# Altium PCB huoer.PcbDoc
Units mm, origin at the board's own origin, x right, y up, seen from the top; angles counter-clockwise.
Board outline 197.26 x 14.07 mm, 2 copper layers (Top Layer, Bottom Layer); 18 components, 34 nets, 49 pads, 3 vias.
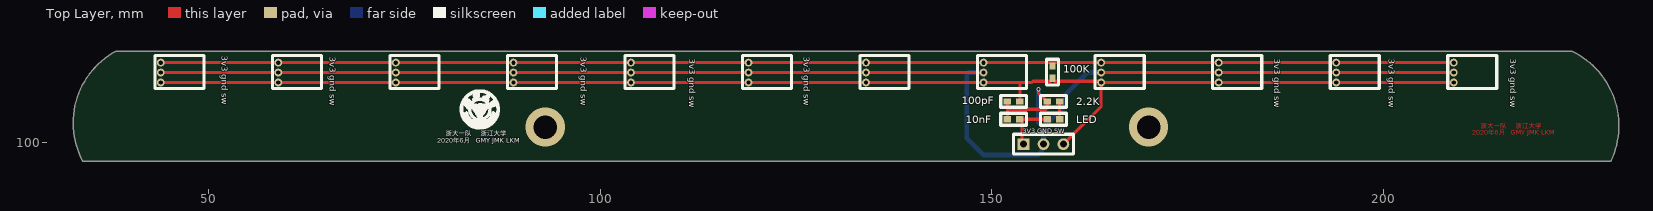
[diagram p0: Top Layer view]
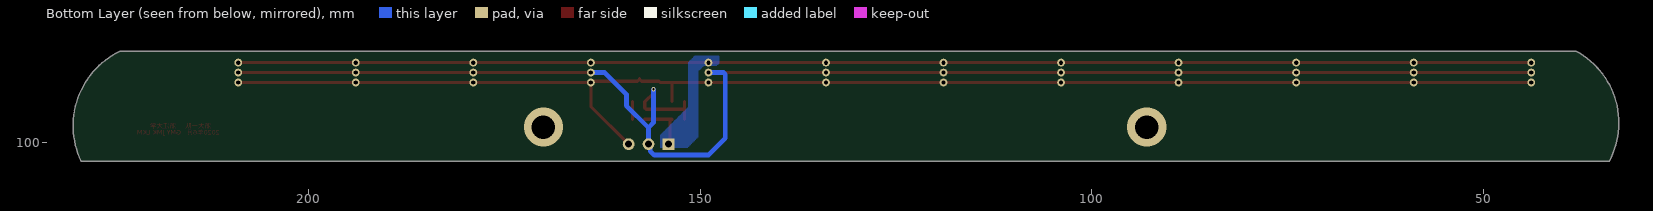
[diagram p1: Bottom Layer view, seen from below]

## Layer stack, top to bottom
Top Solder: solder mask 0.0102, Solder Resist, Dk 3.5
Top Layer: signal copper 0.0356
Dielectric 1: dielectric 0.32, FR-4, Dk 4.8
Bottom Layer: signal copper 0.0356
Bottom Solder: solder mask 0.0102, Solder Resist, Dk 3.5

## Board outline
33.998,97.616 cw(c43.148,102.537) 38.227,111.687 224.029,111.687 cw(c219.469,102.175) 228.981,97.616

## Design rules (kind name [scope] priority, off if disabled: settings)
Clearance [All] p1: gap=0.254 ignorepadtopadclearanceinfootprint=FALSE except(0: Arc-Hole Track-Hole SMDPad-Hole THPad-Hole Via-Hole Fill-Hole Poly-Hole Region-Hole Text-Hole)
MinimumSolderMaskSliver [All] p1: minsoldermaskwidth=0.051
PolygonConnect [All] p1: connectstyle=Direct reliefconductorwidth=0.254 reliefentries=4 polygonreliefangle="90 Angle" airgapwidth=0.254
RoutingVias [All] p1: holewidth=0.711 width=1.27 viastyle="Through Hole" minholewidth=0.711 minwidth=1.27 maxholewidth=0.711 maxwidth=1.27
SilkToSilkClearance [All] p1: silktosilkclearance=0.051
SilkToSolderMaskClearance [IsPad] p1: minsilkscreentomaskgap=0.051 clearancetoexposedcopper=TRUE
SolderMaskExpansion [All] p1: expansion=0.102
Width [All] p1: maxlimit=0.6 minlimit=0.254 preferedwidth=0.254
27 further rules are at their usual default settings.

## Components (designator, comment, footprint, x,y, rotation, side; value= is the part's Value field where it differs from the comment)
2.2K "Res2" 0603R 157.861,105.283 r180 top value=2.2k (schematic designator R24)
"3V3 GND SW" "Comment" HDR1X3 154.051,99.822 r0 top
10nF "Res2" 0603R 152.781,102.997 r180 top value=2.2k (schematic designator R24)
100K "Res2" 0603R 157.734,108.998 r90 top value=2.2k (schematic designator R24)
100pF "Res2" 0603R 152.781,105.283 r180 top value=2.2k (schematic designator R24)
LED "Res2" 0603R 157.861,102.997 r180 top value=2.2k (schematic designator R24)
? "Comment" HUOER 208.815,104.767 r0 top
? "Comment" HUOER 193.815,104.767 r0 top
? "Comment" HUOER 178.815,104.767 r0 top
? "Comment" HUOER 163.815,104.767 r0 top
? "Comment" HUOER 148.815,104.767 r0 top
? "Comment" HUOER 133.815,104.767 r0 top
? "Comment" HUOER 118.815,104.767 r0 top
? "Comment" HUOER 103.815,104.767 r0 top
? "Comment" HUOER 88.815,104.767 r0 top
? "Comment" HUOER 73.815,104.767 r0 top
? "Comment" HUOER 58.815,104.767 r0 top
? "Comment" HUOER 43.815,104.767 r0 top

## Footprints (in the part's own frame and the unit in brackets; to place one, negate y for a bottom-side part, rotate by r counter-clockwise, add the part's x,y. Pads: shape width x height; smd on the part's side, far side on the other; paste and mask are expansions set on the pad)
0603R [mil]
  rect 37.5x31 smd: 1(-31.25,0) 2(31.25,0)
  silkscreen extent -65,-30 65,30
HDR1X3 [mm] "Connector; Header; 3 Position"
  rect 1.5x1.5 hole 0.9: 1(0,0)
  round 1.5 hole 0.9: 2(2.54,0) 3(5.08,0)
  silkscreen extent -1.27,-1.27 6.35,1.27
HUOER [mm]
  round 1 hole 0.55: 17(0.127,2.921) 17(0.127,4.191) 17(0.127,5.461)
  silkscreen extent -0.64,2.16 5.63,6.35

## Part data
2.2K 10nF 100K 100pF LED: "Resistor", LatestRevisionDate=17-Jul-2002, LatestRevisionNote="Re-released for DXP Platform.", PackageDescription="Axial Device, Thru-Hole; 2 Leads; 0.4 in Pin Spacing", PackageReference=AXIAL-0.4, Published=8-Jun-2000, Publisher="Altium Limited"

## Via types
v1: diameter 5, hole 3, Top Layer to Bottom Layer, tented both sides, 2 vias
v2: diameter 0.559, hole 0.305, Top Layer to Bottom Layer, tented both sides, 1 vias

## Nets (pads, with @x,y where several pads share a name; then routed paths per layer and width w, separated by ;. In a path a pad name is that pad's centre, name@x,y a point inside that pad or via, vN(x,y) a via of type N, cw(c..) or ccw(c..) an arc to the next point about the centre after c; other vN are vias at no path point)
A3V3: 10nF.1 100K.2 "3V3 GND SW.1" ?.17@43.942,110.228 ?.17@58.942,110.228 ?.17@73.942,110.228 ?.17@88.942,110.228 ?.17@103.942,110.228 ?.17@118.942,110.228 ?.17@133.942,110.228 ?.17@148.942,110.228 ?.17@163.942,110.228 ?.17@178.942,110.228 ?.17@193.942,110.228 ?.17@208.942,110.228 LED.2 | length 171.9
  Top Layer w0.4: ?.17@43.942,110.228 58.942,110.228 73.942,110.228 88.942,110.228 103.942,110.228 118.942,110.228 133.942,110.228 148.942,110.228 163.942,110.228 178.942,110.228 193.942,110.228 ?.17@208.942,110.228 ; 154.051,99.822 153.841,100.032 153.841,102.73 10nF.1 LED.2
AGND: 2.2K.2 10nF.2 100pF.2 "3V3 GND SW.2" ?.17@43.942,108.958 ?.17@58.942,108.958 ?.17@73.942,108.958 ?.17@88.942,108.958 ?.17@103.942,108.958 ?.17@118.942,108.958 ?.17@133.942,108.958 ?.17@148.942,108.958 ?.17@163.942,108.958 ?.17@178.942,108.958 ?.17@193.942,108.958 ?.17@208.942,108.958 | length 200.8
  Top Layer w0.4: ?.17@43.942,108.958 58.942,108.958 73.942,108.958 88.942,108.958 103.942,108.958 118.942,108.958 133.942,108.958 ?.17@148.942,108.958 ; 10nF.2 151.987,104.267 ; 100pF.2 151.987,104.267 ; v2(155.956,106.807) 155.956,106.312 156.985,105.283 2.2K.2 157.067,104.416 156.918,104.267 151.987,104.267 ; ?.17@163.942,108.958 178.942,108.958 193.942,108.958 ?.17@208.942,108.958
  Bottom Layer w0.4: 156.384,99.615 156.591,99.822
  Bottom Layer w0.6: ?.17@148.942,108.958 147.013,108.958 146.779,108.724 146.779,100.592 148.946,98.425 155.876,98.425 156.384,98.933 156.384,99.615 ; v2(155.956,106.807) 155.956,102.546 156.591,101.911 ; 156.591,99.822 156.591,101.911 ; ?.17@163.942,108.958 162.196,108.958 159.408,106.169 159.408,104.728 156.591,101.911
IN1: 
IN2: 
IN3: 
IN4: 
IN5: 
NetC1_1: 
NetC1_2: 
NetC3_1: 
NetC3_2: 
NetC5_1: 
NetC5_2: 
NetC7_1: 
NetC7_2: 
NetLED1_1: 
NetLED2_1: 2.2K.1 LED.1 | length 2.3
  Top Layer w0.4: LED.1 2.2K.1
NetR1_2: 
NetR2_2: 
NetR3_2: 
NetR4_1: 
NetR7_2: 
NetR8_1: 
NetR11_2: 
NetR12_2: 
NetR13_2: 
NetR14_1: 
NetR17_2: 
NetR18_1: 
OUT1: 
OUT2: 
OUT3: 
OUT4: 
SW1: 100K.1 100pF.1 "3V3 GND SW.3" ?.17@43.942,107.688 ?.17@58.942,107.688 ?.17@73.942,107.688 ?.17@88.942,107.688 ?.17@103.942,107.688 ?.17@118.942,107.688 ?.17@133.942,107.688 ?.17@148.942,107.688 ?.17@163.942,107.688 ?.17@178.942,107.688 ?.17@193.942,107.688 ?.17@208.942,107.688 | length 177.7
  Top Layer w0.4: ?.17@43.942,107.688 58.942,107.688 73.942,107.688 88.942,107.688 103.942,107.688 118.942,107.688 133.942,107.688 148.942,107.688 153.67,107.688 ; 100pF.1 153.575,107.593 153.67,107.688 ; 100K.1 100K.1@157.734,108.121 ; 159.131,99.822 163.942,104.633 ?.17@163.942,107.688 ; ?.17@208.942,107.688 193.942,107.688 178.942,107.688 ?.17@163.942,107.688 ; 153.67,107.688 155.091,107.688 155.257,107.855 157.467,107.855 100K.1@157.734,108.121 ; 100K.1@157.734,108.121 158.001,107.855 163.573,107.855 163.74,107.688 ?.17@163.942,107.688
copper on no net:
  other v1: 93,102 170,102

## Polygon pours and split planes (outlines as drawn)
A3V3 on Bottom Layer (hatched Horizontal grid 0.102 track 0.127, remove dead copper, pour order 8): 147.574,110.998 147.574,110.109 147.955,109.728 149.606,109.728 150.241,109.093 150.241,100.711 151.638,99.314 155.067,99.314 155.067,100.965 151.511,104.521 151.511,110.228 150.614,111.125 147.701,111.125

## Other copper
Top Layer:
  text "浙大一队" at 212.415,101.625 h1.02
  text "浙江大学" at 216.874,101.625 h1.02
  text "2020年6月" at 211.286,100.736 h1.02
  text "GMY JMK LKM" at 216.239,100.736 h1.02

## Silkscreen, mask and mechanical layers (free items; w line width, h text height)
Top Overlay:
  drawing of 1340 lines, arcs and shapes, not listed
  text "3v3 gnd sw" at 51.689,111.125 h0.8 r270
  text "3v3 gnd sw" at 65.532,110.998 h0.8 r270
  text "3v3 gnd sw" at 97.536,110.998 h0.8 r270
  text "3v3 gnd sw" at 125.984,110.998 h0.8 r270
  text "3v3 gnd sw" at 111.379,110.736 h0.8 r270
  text "3v3 gnd sw" at 186.055,110.736 h0.8 r270
  text "3v3 gnd sw" at 200.66,110.736 h0.8 r270
  text "3v3 gnd sw" at 216.154,110.744 h0.8 r270
  text "浙大一队" at 80.335,100.609 h1.02
  text "浙江大学" at 84.794,100.609 h1.02
  text "2020年6月" at 79.206,99.72 h1.02
  text "GMY JMK LKM" at 84.159,99.72 h1.02
Mechanical 1:
  lines w0.254: 33.998,97.616 cw(c43.148,102.537) 38.227,111.687 ; 224.029,111.687 cw(c219.469,102.175) 228.981,97.616
  lines w0.4: 33.998,97.616 228.981,97.616 ; 38.281,111.687 224.029,111.687